# Allegro board FEE5_10_30.brd (continued)
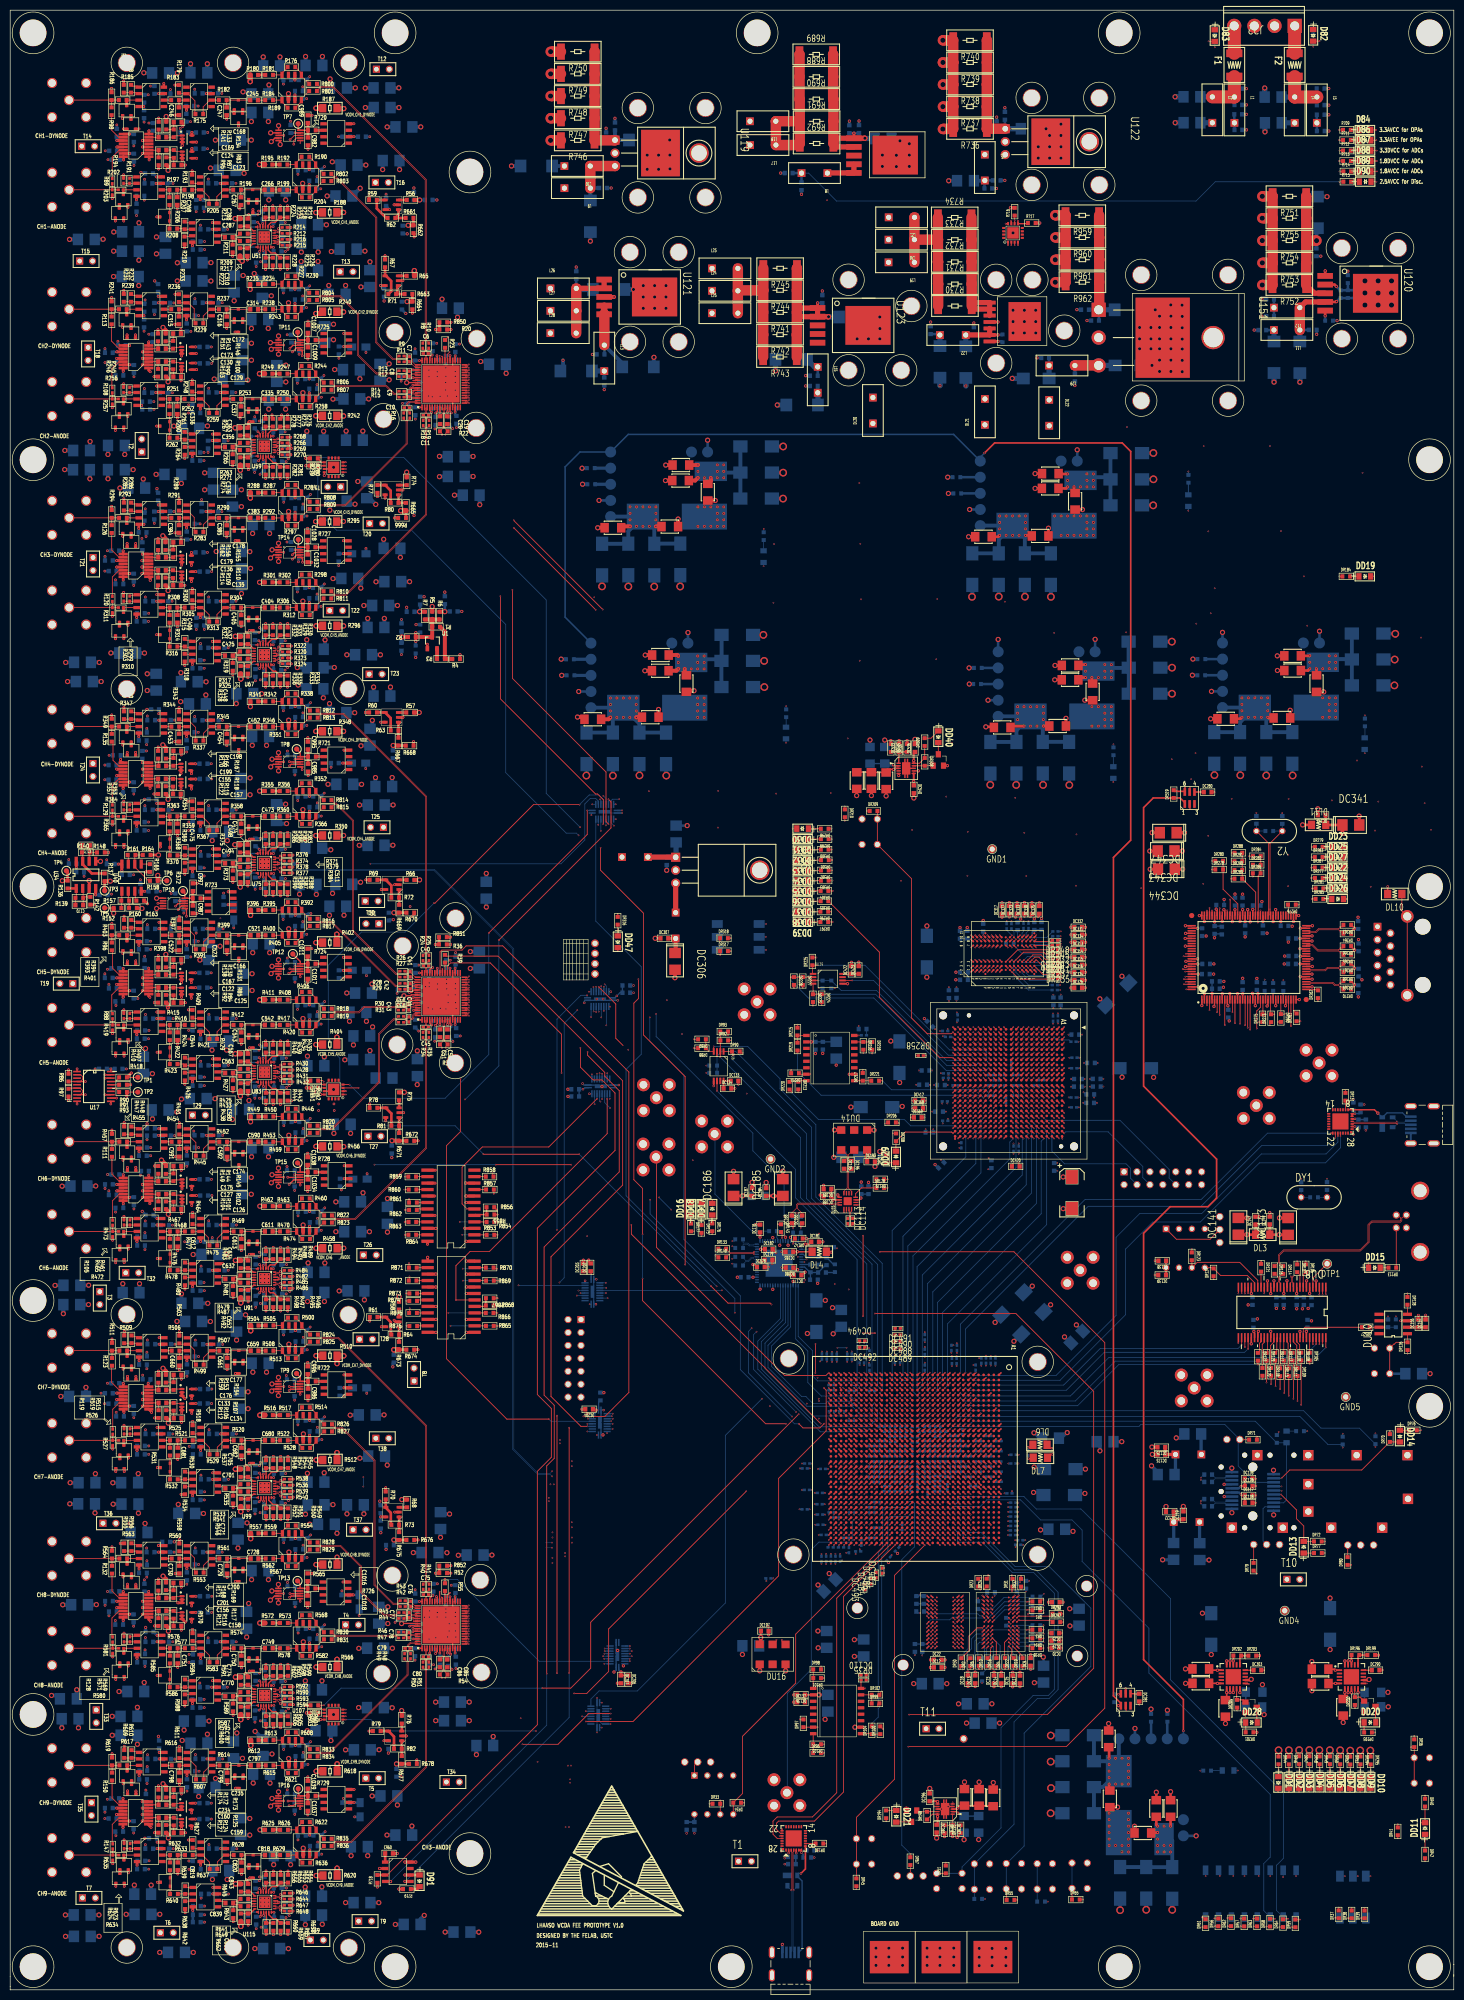
[diagram p0: board, top side]
## Routing (per net, layer and track width the routed paths; a pad name or vN(x,y) marks a point on that pad's centre or on a via; arc(x,y) is an arc through that point) (continued)
  BOTTOM w0.152: v1(116.61,192.23) 116.61,193.09 DU44.4
T_SCLK1: length 95.4
  TOP w0.152: v1(116.52,228.88) 116.52,233.69 115.4,234.81 114.99,234.81 96.29,253.5 v1(96.29,273.66) ; U152.1 65.96,297.99 v1(65.96,297.99)
  S2 w0.152: v1(65.96,297.99) 71.96,297.99 v1(96.29,273.66)
  BOTTOM w0.152: v1(116.52,228.88) 116.52,229.86 DU45.6
T_SCLK1_BUF: length 153.7
  TOP w0.152: DU4.AG9 v1(167.79,113.19)
  S2 w0.152: v1(115.89,233.76) 116.09,233.56 116.09,228.45 125.16,219.38 125.16,192.03 120.46,187.33 120.46,150.77 155.89,115.33 156.27,115.33 v1(156.49,115.11)
  S3 w0.152: v1(156.49,115.11) 158.86,112.74 167.34,112.74 v1(167.79,113.19)
  BOTTOM w0.152: v1(115.89,233.76) 116.03,233.62 DU45.14
T_SCLK2: length 103.8
  TOP w0.152: U153.1 65.88,175.81 65.89,175.81 v1(65.94,175.81)
  S3 w0.152: v1(70.76,221.12) 70.76,217.52 68.11,214.87 68.11,189.28 69.1,188.29 69.1,178.97 v1(65.94,175.81)
  BOTTOM w0.152: DU45.13 115.53,233.42 115.03,233.93 113.94,233.93 112.88,232.87 112.88,225.79 108.21,221.12 v1(70.76,221.12)
T_SCLK2_BUF: length 155
  TOP w0.152: DU4.AE10 v1(169.79,112.19)
  S1 w0.152: v1(153.59,112.57) 153.59,112.57 169.41,112.57 v1(169.79,112.19)
  S3 w0.152: v1(116.03,227.58) 116.03,226.21 117.61,224.63 117.61,213.13 117.37,212.89 117.37,195.58 122.3,190.65 122.3,160.78 v1(127.48,155.6) ; v1(145.65,129.92) 145.65,138.7 143.42,140.94 143.42,147.14 137.36,153.21 v1(129.84,153.21)
  BOTTOM w0.152: v1(129.84,153.21) 127.48,155.57 v1(127.48,155.6) ; v1(145.65,129.92) 145.03,129.29 145.03,121.13 v1(153.59,112.57) ; DU45.7 v1(116.03,227.58)
T_SCLK3: length 56.3
  TOP w0.152: U154.1 65.9,53.07 65.9,53.07 v1(65.93,53.07)
  S1 w0.152: v1(103.26,50.83) 108.33,50.83 112.7,55.2 v1(117.96,55.2)
  BOTTOM w0.152: v1(117.96,55.2) 117.96,55.19 DU46.13 ; v1(103.26,50.83) 73.09,50.83 70.86,53.07 v1(65.93,53.07)
T_SCLK3_BUF: length 223.3
  TOP w0.152: v1(169.86,132.8) 197.56,132.8 212.84,117.51 212.84,63.15 203.77,54.08 202.68,54.08 202.65,54.05 v1(176.59,54.05) ; DU4.AE3 v1(169.79,119.19)
  S3 w0.152: v1(169.79,119.19) 169.79,119.19 169.37,119.61 169.37,132.3 v1(169.86,132.8)
  S5 w0.152: v1(113.1,54.7) 114.09,53.72 120.29,53.72 120.62,54.05 v1(176.59,54.05)
  BOTTOM w0.152: DU46.7 114.07,54.7 v1(113.1,54.7)
T_SCLK_BUF: length 104.6
  TOP w0.152: DU4.AE1 v1(169.79,121.19)
  S4 w0.152: v1(116.1,197.07) 116.1,196.91 116.43,196.58 118.71,196.58 134.65,180.64 134.65,179.87 138.91,175.61 143.8,175.61 156.12,163.28 156.12,156.77 170.46,142.44 170.46,127.76 169.79,127.09 v1(169.79,121.19)
  BOTTOM w0.152: v1(116.1,197.07) 116.1,196.01 DU44.16
TDCIN_HIGH_N_CH1: length 292.3
  TOP w0.102: U51.19 52,343.08 52.36,343.08 v3(52.56,342.88) 52.76,343.08 52.92,343.08 R216.1 ; DU4.AP4 v1(160.79,118.19)
  S4 w0.102: v1(160.79,118.19) 160.65,118.33 160.65,118.33 159.51,119.47 159.51,120.55 152.33,127.72 151.25,127.72 106.95,172.03 106.95,320.92 84.83,343.04 52.74,343.04 v3(52.56,342.88)
  BOTTOM w0.102: R201.1 160.79,117.78 v1(160.79,118.19)
TDCIN_HIGH_N_CH2: length 263.1
  TOP w0.102: DU4.AP9 161.22,112.9 v1(160.94,113.19) ; R270.1 53.02,301.81 52.82,301.81 v3(52.69,301.68) 52.37,302 52,302 U59.19
  S1 w0.102: v1(160.94,113.19) 160.94,113.22 160.62,113.54 158.73,113.54 143.01,129.26 143.01,138.31 142.01,139.32 142.01,141.26 142.38,141.63 142.38,150.36 138.68,154.07 114.41,154.07 91.62,176.86 91.62,281.46 71.13,301.96 52.97,301.96 v3(52.69,301.68)
  BOTTOM w0.102: R255.1 160.94,113.59 v1(160.94,113.19)
TDCIN_HIGH_N_CH3: length 234.2
  TOP w0.102: R324.1 53.2,260.68 52.86,260.68 v3(52.76,260.59) 52.76,260.71 52.45,261.03 52.01,261.03 U67.19 ; DU4.AK10 v1(164.79,112.19)
  S4 w0.102: v3(52.76,260.59) 53.02,260.85 80.91,260.85 97.74,244.02 97.74,151.64 109.39,139.99 117.86,139.99 148.24,109.61 164.13,109.61 164.41,109.89 164.41,111.81 v1(164.79,112.19)
  BOTTOM w0.102: v1(164.79,112.19) 164.79,111.75 R307.1
TDCIN_HIGH_N_CH4: length 222.4
  TOP w0.102: DU4.AP28 v1(160.79,93.32) ; R378.1 53.53,219.6 53.19,219.6 v3(53.1,219.5) 53.08,219.5 52.53,220.06 52.03,220.06 U75.19
  S5 w0.102: v1(160.79,93.32) 161.08,93.32 161.18,93.42 161.18,93.63 161.08,93.73 152.16,93.73 144.68,101.21 106.85,101.21 106.46,100.82 v1(106.46,100.82)
  BOTTOM w0.102: R362.1 160.79,93.69 v1(160.79,93.32) ; v1(106.46,100.82) 106.07,101.21 103.63,101.21 98.72,106.12 98.72,204.34 83.28,219.78 53.38,219.78 v3(53.1,219.5)
TDCIN_HIGH_N_CH5: length 173.5
  TOP w0.102: R432.1 53.83,178.48 53.64,178.67 53.32,178.67 v3(53.13,178.49) 53.13,178.55 52.6,179.08 52.05,179.08 U83.19 ; DU4.AK28 v1(164.79,93.32)
  S1 w0.102: v1(110.33,102.81) 109.93,103.22 103.61,103.22 86.91,119.92 86.91,156.42 64.55,178.77 53.42,178.77 v3(53.13,178.49)
  S4 w0.102: v1(164.79,93.32) 165.1,93.32 165.2,93.42 165.2,93.59 165.1,93.7 139.2,93.7 129.68,103.22 110.73,103.22 v1(110.33,102.81)
  BOTTOM w0.102: R414.1 164.79,93.61 v1(164.79,93.32)
TDCIN_HIGH_N_CH6: length 151.4
  TOP w0.102: R486.1 53.52,138.09 53.25,138.09 v3(53.12,137.97) 52.55,138.54 52.08,138.54 U91.19 ; DU4.AM34 v1(162.79,87.32)
  S1 w0.102: v1(106.52,83.81) 106.12,84.21 102.71,84.21 81.85,105.08 81.85,127.02 70.62,138.25 53.4,138.25 v3(53.12,137.97)
  S4 w0.102: v1(162.79,87.32) 163.08,87.32 163.23,87.47 163.23,87.62 163.11,87.74 151.61,87.74 148.08,84.21 106.91,84.21 v1(106.52,83.81)
  BOTTOM w0.102: v1(162.79,87.32) 162.79,86.97 R466.1
TDCIN_HIGH_N_CH7: length 193.3
  TOP w0.102: DU4.AF27 v1(168.79,94.32) ; U99.19 52.1,97.52 52.59,97.52 v3(53.15,96.96) 53.28,97.09 53.53,97.09 R540.1
  S2 w0.102: v1(110,40.67) 110.23,40.91 110.74,40.91 111.52,40.91 126.19,55.58 126.19,73.9 147.03,94.74 169.07,94.74 169.21,94.59 169.21,94.42 169.11,94.32 v1(168.79,94.32)
  S4 w0.102: v3(53.15,96.96) 53.43,97.24 80.53,97.24 95.74,82.03 95.74,54.04 108.87,40.91 109.76,40.91 v1(110,40.67)
  BOTTOM w0.102: v1(168.79,94.32) 168.79,94.73 R524.1
TDCIN_HIGH_N_CH8: length 168.1
  TOP w0.102: U107.19 52.13,56.73 52.56,56.73 v3(53.12,56.18) 53.23,56.29 53.6,56.29 R594.1 ; DU4.AF33 v1(168.79,88.32)
  S2 w0.102: v1(168.79,88.32) 169.19,88.72 169.19,89.52 168.98,89.73 154.2,89.73 135.3,70.83 135.3,53.04 111.23,28.97 104.8,28.97 77.31,56.46 53.4,56.46 v3(53.12,56.18)
  BOTTOM w0.102: R579.1 168.81,88.34 v1(168.79,88.32)
TDCIN_HIGH_N_CH9: length 154.9
  TOP w0.102: DU4.AH34 v1(166.79,87.32) ; U115.19 52.09,16.06 52.83,16.06 53.12,15.77 v3(53.12,15.65) 53.17,15.7 53.61,15.7 R648.1
  S2 w0.102: v1(166.79,87.32) 166.04,86.57 158.39,86.57 138.42,66.6 138.42,52.56 101.8,15.93 53.4,15.93 v3(53.12,15.65)
  BOTTOM w0.102: R631.1 167.17,87.32 v1(166.79,87.32)
TDCIN_HIGH_P_CH1: length 293.4
  TOP w0.102: U51.20 52.01,343.31 52.38,343.31 v3(52.59,343.51) 52.78,343.32 52.93,343.32 53.35,343.74 R215.2 ; DU4.AN4 v1(161.79,118.19)
  S4 w0.102: v1(161.79,118.19) 161.31,118.19 160.96,118.54 160.74,118.54 159.72,119.56 159.72,120.64 152.42,127.94 151.34,127.94 107.17,172.11 107.17,321.01 84.92,343.26 52.82,343.26 v3(52.59,343.51)
  BOTTOM w0.102: R201.2 161.79,117.79 v1(161.79,118.19)
TDCIN_HIGH_P_CH2: length 264.1
  TOP w0.102: 162.17,112.75 DU4.AN9 v1(161.8,113.18) ; U59.20 52,302.26 52.49,302.26 52.68,302.46 v3(52.69,302.46) 52.86,302.29 53.15,302.29 R269.2
  S1 w0.102: v3(52.69,302.46) 52.97,302.18 71.21,302.18 91.84,281.55 91.84,176.95 114.5,154.28 138.77,154.28 142.6,150.45 142.6,141.54 142.22,141.17 142.22,139.41 143.23,138.4 143.23,129.35 158.82,113.76 160.9,113.76 161.46,113.18 v1(161.8,113.18)
  BOTTOM w0.102: v1(161.8,113.18) 161.8,113.46 R255.2
TDCIN_HIGH_P_CH3: length 235.4
  TOP w0.102: R323.2 53.17,261.19 52.94,261.19 v3(52.76,261.37) 52.64,261.24 52.06,261.24 U67.20 ; DU4.AJ10 v1(165.79,112.19)
  S4 w0.102: v1(165.79,112.19) 165.29,112.19 164.94,112.54 164.64,112.54 164.43,112.33 164.43,112.14 164.2,111.9 164.2,109.98 164.05,109.83 148.33,109.83 117.95,140.21 109.48,140.21 97.96,151.73 97.96,244.1 81,261.06 53.07,261.06 v3(52.76,261.37)
  BOTTOM w0.102: R307.2 165.79,111.76 v1(165.79,112.19)
TDCIN_HIGH_P_CH4: length 222.3
  TOP w0.102: DU4.AN28 v1(161.79,93.32) ; U75.20 52.06,220.27 53.09,220.27 v3(53.1,220.28) 53.19,220.19 53.51,220.19 53.78,220.47 R377.2
  S5 w0.102: v1(161.79,93.32) 161.17,93.94 152.25,93.94 144.77,101.43 106.86,101.43 v1(106.46,101.82)
  BOTTOM w0.102: v1(161.79,93.32) 161.79,93.68 R362.2 ; v3(53.1,220.28) 53.38,220 83.37,220 98.93,204.43 98.93,106.21 103.72,101.43 106.07,101.43 v1(106.46,101.82)
TDCIN_HIGH_P_CH5: length 173.2
  TOP w0.102: U83.20 52.08,179.3 53.11,179.3 v3(53.13,179.32) 53.13,179.3 53.28,179.15 53.53,179.15 R431.2 ; DU4.AJ28 v1(165.79,93.32)
  S1 w0.102: v1(110.33,103.81) 110.33,103.81 109.95,103.43 103.7,103.43 87.12,120.01 87.12,156.51 64.64,178.99 53.46,178.99 v3(53.13,179.32)
  S4 w0.102: v1(165.79,93.32) 165.78,93.32 165.19,93.91 139.29,93.91 129.77,103.43 110.71,103.43 v1(110.33,103.81)
  BOTTOM w0.102: v1(165.79,93.32) 165.79,93.59 R414.2
TDCIN_HIGH_P_CH6: length 151.3
  TOP w0.102: U91.20 52.09,138.76 53.11,138.76 v3(53.12,138.74) 53.23,138.64 53.55,138.64 R485.2 ; DU4.AL34 v1(163.79,87.32)
  S1 w0.102: v1(106.52,84.82) 106.13,84.43 102.8,84.43 82.06,105.17 82.06,127.11 70.71,138.46 53.4,138.46 v3(53.12,138.74)
  S4 w0.102: v1(163.79,87.32) 163.79,87.36 163.2,87.95 151.52,87.95 147.99,84.42 106.91,84.42 v1(106.52,84.82)
  BOTTOM w0.102: R466.2 163.79,86.96 v1(163.79,87.32)
TDCIN_HIGH_P_CH7: length 193.1
  TOP w0.102: DU4.AE27 v1(169.79,94.32) ; R539.2 53.58,97.63 53.26,97.63 v3(53.15,97.74) 52.1,97.74 U99.20
  S2 w0.102: v1(110,41.34) 110.21,41.13 110.74,41.13 111.43,41.13 125.98,55.67 125.98,73.99 146.94,94.95 169.16,94.95 169.29,94.82 v1(169.79,94.32)
  S4 w0.102: v1(110,41.34) 109.78,41.12 108.96,41.12 95.95,54.13 95.95,82.12 80.62,97.46 53.43,97.46 v3(53.15,97.74)
  BOTTOM w0.102: R524.2 169.79,94.71 v1(169.79,94.32)
TDCIN_HIGH_P_CH8: length 168.2
  TOP w0.102: DU4.AE33 v1(169.79,88.32) ; R593.2 53.57,56.82 53.25,56.82 v3(53.12,56.95) 52.85,56.95 52.68,56.95 52.06,56.95 U107.20
  S2 w0.102: v1(169.79,88.32) 169.41,88.71 169.41,89.61 169.07,89.94 154.11,89.94 154.05,89.88 135.09,70.92 135.09,53.13 111.14,29.19 104.89,29.19 77.4,56.67 53.4,56.67 v3(53.12,56.95)
  BOTTOM w0.102: R579.2 169.79,88.72 v1(169.79,88.32)
TDCIN_HIGH_P_CH9: length 155.5
  TOP w0.102: U115.20 52.14,16.28 52.97,16.28 v3(53.12,16.43) 53.17,16.38 53.61,16.38 R647.2 ; DU4.AH33 v1(166.79,88.32)
  S2 w0.102: v3(53.12,16.43) 53.4,16.15 101.71,16.15 138.2,52.65 138.2,66.69 158.31,86.79 165.95,86.79 166.43,87.27 166.43,87.97 v1(166.79,88.32)
  BOTTOM w0.102: R631.2 167.19,88.32 v1(166.79,88.32)
TDCIN_LOW_N_CH1: length 298.7
  TOP w0.102: R214.1 53.04,345.69 52.89,345.69 v3(52.73,345.85) 52.73,345.83 52.25,345.35 51.99,345.35 U51.24 ; DU4.AP3 v1(160.79,119.19)
  S4 w0.102: v1(160.79,119.19) 161.15,118.83 161.94,118.83 162.39,119.28 162.39,121.41 161.97,121.83 160.2,121.83 159.14,122.89 159.03,122.89 158.82,123.1 158.82,123.21 142.62,139.41 110.64,171.39 110.64,323.06 88.07,345.62 86.19,345.62 52.96,345.62 v3(52.73,345.85)
  BOTTOM w0.102: R200.1 160.79,118.79 v1(160.79,119.19)
TDCIN_LOW_N_CH2: length 266.1
  TOP w0.102: DU4.AK5 v1(164.79,117.19) ; U59.24 51.96,304.32 52.35,304.32 v3(52.57,304.55) 52.72,304.4 53.04,304.4 53.42,304.78 R268.1
  S1 w0.102: v1(164.79,117.19) 164.79,116.99 164.6,116.8 157.31,116.8 144.07,130.05 144.07,150.38 138.1,156.34 118.7,156.34 95.13,179.92 95.13,283.91 74.77,304.27 52.85,304.27 v3(52.57,304.55)
  BOTTOM w0.102: v1(164.79,117.19) 164.79,117.58 R254.1
TDCIN_LOW_N_CH3: length 233.9
  TOP w0.102: U67.24 52.04,263.3 52.46,263.3 52.73,263.57 v3(52.73,263.69) 52.87,263.55 53.17,263.55 R322.1 ; DU4.AM9 v1(162.79,113.19)
  S4 w0.102: v3(52.73,263.69) 53,263.39 82.19,263.39 100.34,245.24 100.34,152.34 111.18,141.5 119.95,141.5 150.68,110.77 163.03,110.77 163.22,110.96 163.22,112.76 v1(162.79,113.19)
  BOTTOM w0.102: R309.1 162.79,113.45 v1(162.79,113.19)
TDCIN_LOW_N_CH4: length 234.7
  TOP w0.102: U75.24 52.04,222.32 52.73,222.32 v3(53.05,222.64) 53.19,222.5 53.51,222.5 R376.1 ; v1(160.79,87.32) DU4.AP34
  S2 w0.102: v1(109.01,85.77) 108.8,85.57 106.93,85.57 100.98,91.52 100.98,202.4 81.02,222.36 53.33,222.36 v3(53.05,222.64)
  S5 w0.102: v1(109.01,85.77) 109.22,85.56 147.63,85.56 149.87,87.79 156.88,87.79 157.89,86.78 160.43,86.78 160.79,87.14 v1(160.79,87.32)
  BOTTOM w0.102: v1(160.79,87.32) 160.79,87.02 R361.1
TDCIN_LOW_N_CH5: length 204.8
  TOP w0.102: R430.1 53.78,181.8 53.46,181.48 53.25,181.48 v3(53.14,181.6) 53.14,181.57 52.91,181.34 52.68,181.34 52.53,181.34 52.07,181.34 U83.24 ; DU4.AL33 v1(163.79,88.32)
  S2 w0.102: v1(110.35,87.82) 110.35,87.82 110.76,88.23 111.06,88.23 111.68,87.61 111.68,86.18 108.96,83.46 105.68,83.46 97.3,91.84 97.3,165.33 81.31,181.32 53.52,181.32 53.42,181.32 v3(53.14,181.6)
  S4 w0.102: v1(110.35,87.82) 110.75,88.21 149.61,88.21 150.15,88.75 164.08,88.75 164.2,88.63 164.2,88.42 164.1,88.32 v1(163.79,88.32)
  BOTTOM w0.102: v1(163.79,88.32) 163.79,88.65 R413.1
TDCIN_LOW_N_CH6: length 146.2
  TOP w0.102: DU4.AN29 v1(161.79,92.32) ; U91.24 52.09,140.8 52.56,140.8 52.64,140.8 52.83,140.8 v3(53.08,141.06) 53.2,140.94 53.52,140.94 R484.1
  S1 w0.102: v1(106.13,99.25) 106.32,99.06 106.32,98.86 106.15,98.69 98.3,98.69 84.65,112.34 84.65,132.33 76.2,140.78 53.37,140.78 v3(53.08,141.06)
  S4 w0.102: v1(161.79,92.32) 162.1,92.32 162.2,92.42 162.2,92.61 162.08,92.73 136.43,92.73 129.95,99.21 107.84,99.21 107.27,98.65 106.73,98.65 v1(106.13,99.25)
  BOTTOM w0.102: R471.1 161.79,92.71 v1(161.79,92.32)
TDCIN_LOW_N_CH7: length 199.2
  TOP w0.102: R538.1 53.64,100.06 53.64,100.05 53.54,99.95 53.26,99.95 v3(53.16,100.05) 52.89,99.77 52.1,99.77 U99.24 ; DU4.AF28 v1(168.79,93.32)
  S2 w0.102: v3(53.16,100.05) 53.44,99.77 55.29,99.77 55.3,99.78 82.3,99.78 101.66,80.42 101.66,44.66 108.15,38.17 111.97,38.17 128.94,55.14 128.94,72.78 148.35,92.19 160.42,92.19 160.64,91.97 165.94,91.97 165.95,91.98 167.93,91.98 168.19,92.23 168.19,92.72 168.61,93.15 v1(168.79,93.32)
  BOTTOM w0.102: v1(168.79,93.32) 168.79,93.7 R523.1
TDCIN_LOW_N_CH8: length 160.3
  TOP w0.102: DU4.AE26 v1(169.79,95.32) ; U107.24 52.09,58.95 52.8,58.95 53.09,59.25 v3(53.09,59.25) 53.21,59.14 53.53,59.14 R592.1
  S1 w0.102: v3(53.09,59.25) 53.35,58.99 92.62,58.99 92.75,58.87 107.72,43.89 109.44,43.89 v1(109.57,44.02)
  S2 w0.102: v1(169.79,95.32) 169.96,95.32 170.07,95.44 170.07,95.64 169.97,95.74 143.81,95.74 123.4,75.33 123.4,56.11 110.93,43.64 109.95,43.64 v1(109.57,44.02)
  BOTTOM w0.102: R575.1 169.79,95.72 v1(169.79,95.32)
TDCIN_LOW_N_CH9: length 162.7
  TOP w0.102: DU4.AE31 v1(169.79,90.32) ; R646.1 53.77,18.99 53.53,18.75 v3(53.13,18.75) 53.13,18.64 52.84,18.34 52.11,18.34 U115.24
  S1 w0.102: v3(53.13,18.75) 53.41,18.47 55.27,18.47 55.3,18.5 97.86,18.5 109.32,29.96 109.32,31.73 v1(109.1,31.96)
  S2 w0.102: v1(169.79,90.32) 169.79,90.51 169.58,90.72 150.91,90.72 132.27,72.08 132.27,54.74 110.35,32.82 110.35,32.04 109.91,31.6 109.46,31.6 v1(109.1,31.96)
  BOTTOM w0.102: R630.1 169.79,90.69 v1(169.79,90.32)
TDCIN_LOW_P_CH1: length 296.7
  TOP w0.102: U51.23 52.02,345.13 52.69,345.13 v3(52.73,345.18) 52.87,345.32 53.02,345.32 53.43,344.91 R212.2 ; DU4.AN3 v1(161.79,119.19)
  S4 w0.102: 161.69,119.19 v1(161.79,119.19) 161.99,119.19 162.18,119.37 162.18,121.32 161.88,121.62 160.11,121.62 159.05,122.68 158.94,122.68 158.61,123.01 158.61,123.12 142.53,139.19 142.53,139.19 142.1,139.62 110.42,171.3 110.42,322.97 87.98,345.4 52.96,345.4 v3(52.73,345.18)
  BOTTOM w0.102: R200.2 161.79,118.8 v1(161.79,119.19)
TDCIN_LOW_P_CH2: length 267.1
  TOP w0.102: R266.2 53.12,304.04 52.74,304.04 52.57,303.87 v3(52.57,303.77) 52.33,304.02 51.98,304.02 U59.23 ; DU4.AJ5 v1(165.79,117.19)
  S1 w0.102: v1(165.79,117.19) 165.33,117.19 164.73,116.59 157.22,116.59 143.85,129.96 143.85,150.29 138.01,156.13 118.61,156.13 94.91,179.83 94.91,283.82 74.68,304.05 52.85,304.05 v3(52.57,303.77)
  S4 w0.102: v1(165.79,117.19) 165.72,117.19
  BOTTOM w0.102: v1(165.79,117.19) 165.79,117.6 R254.2
TDCIN_LOW_P_CH3: length 234.1
  TOP w0.102: U67.23 52.04,263.08 52.47,263.08 v3(52.69,262.87) 52.85,263.03 53.17,263.03 R320.2 ; DU4.AL9 v1(163.79,113.19)
  S4 w0.102: v3(52.69,262.87) 53.03,263.18 82.1,263.18 100.13,245.15 100.13,152.25 111.09,141.29 119.86,141.29 150.59,110.56 163.12,110.56 163.43,110.87 163.43,112.83 v1(163.79,113.19)
  BOTTOM w0.102: R309.2 163.79,113.43 v1(163.79,113.19)
TDCIN_LOW_P_CH4: length 235.7
  TOP w0.102: U75.23 52.05,222.1 52.81,222.1 v3(53.05,221.86) 53.2,222.01 53.47,222.01 R374.2 ; DU4.AN34 v1(161.79,87.32)
  S2 w0.102: v1(109.01,85.11) 108.76,85.35 106.84,85.35 100.76,91.43 100.76,202.31 80.93,222.14 53.33,222.14 v3(53.05,221.86)
  S5 w0.102: v1(161.79,87.32) 161.29,87.32 160.94,86.97 160.93,86.97 160.52,86.56 157.8,86.56 156.79,87.58 149.95,87.58 147.72,85.34 109.24,85.34 v1(109.01,85.11)
  BOTTOM w0.102: R361.2 161.79,87.01 v1(161.79,87.32)
TDCIN_LOW_P_CH5: length 205.7
  TOP w0.102: 53.16,180.84 53.26,180.94 53.49,180.94 53.81,180.62 R428.2 ; 53.16,180.84 v3(53.14,180.82) ; 53.16,180.84 53.14,180.84 52.86,181.13 52.68,181.13 52.54,181.12 52.06,181.12 U83.23 ; DU4.AK33 v1(164.79,88.32)
  S2 w0.102: v1(110.34,88.81) 110.71,88.44 111.15,88.44 111.89,87.7 111.89,86.09 109.05,83.24 105.59,83.24 97.08,91.75 97.08,165.24 81.22,181.1 53.52,181.1 53.42,181.1 v3(53.14,180.82)
  S4 w0.102: v1(164.79,88.32) 164.79,88.34 164.17,88.96 158.01,88.96 150.06,88.96 149.52,88.43 110.74,88.43 v1(110.34,88.81)
  BOTTOM w0.102: R413.2 164.79,88.66 v1(164.79,88.32)
TDCIN_LOW_P_CH6: length 146.2
  TOP w0.102: U91.23 52.09,140.58 52.56,140.58 52.64,140.58 52.82,140.58 53.08,140.32 v3(53.08,140.28) 53.22,140.42 53.52,140.42 R482.2 ; DU4.AM29 v1(162.79,92.32)
  S1 w0.102: v3(53.08,140.28) 53.37,140.56 76.12,140.56 84.44,132.24 84.44,112.25 98.21,98.47 106.24,98.47 106.54,98.77 106.54,98.99 v1(106.8,99.25)
  S4 w0.102: v1(106.8,99.25) 106.8,99 106.93,98.87 107.18,98.87 107.75,99.43 130.04,99.43 136.52,92.95 162.17,92.95 v1(162.79,92.32)
  BOTTOM w0.102: v1(162.79,92.32) 162.79,92.69 R471.2
TDCIN_LOW_P_CH7: length 200.3
  TOP w0.102: DU4.AE28 v1(169.79,93.32) ; R536.2 53.56,99.41 53.31,99.41 v3(53.16,99.27) 52.88,99.56 52.1,99.56 U99.23
  S2 w0.102: v1(169.79,93.32) 169.34,92.87 168.64,92.87 168.41,92.63 168.41,92.15 168.02,91.76 166.04,91.76 166.03,91.75 160.55,91.75 160.33,91.97 148.44,91.97 129.16,72.69 129.16,55.05 112.06,37.95 108.07,37.95 101.45,44.57 101.45,80.33 82.21,99.56 55.39,99.56 55.38,99.55 53.44,99.55 v3(53.16,99.27)
  BOTTOM w0.102: v1(169.79,93.32) 169.79,93.68 R523.2
TDCIN_LOW_P_CH8: length 160.8
  TOP w0.102: U107.23 52.1,58.74 52.83,58.74 v3(53.09,58.47) 53.28,58.66 53.54,58.66 R590.2 ; DU4.AD26 v1(170.79,95.32)
  S1 w0.102: v1(110.16,44.03) 109.8,43.67 107.64,43.67 92.53,58.78 53.4,58.78 v3(53.09,58.47)
  S2 w0.102: v1(170.79,95.32) 170.69,95.32 170.06,95.95 143.72,95.95 123.18,75.42 123.18,56.2 110.85,43.86 110.33,43.86 v1(110.16,44.03)
  BOTTOM w0.102: v1(170.79,95.32) 170.79,95.7 R575.2
TDCIN_LOW_P_CH9: length 163.1
  TOP w0.102: R644.2 53.66,18.03 53.19,18.03 v3(53.13,17.97) 52.98,18.13 52.12,18.13 U115.23 ; DU4.AD31 v1(170.79,90.32)
  S1 w0.102: v1(109.76,31.96) 109.54,31.73 109.54,29.87 97.95,18.28 55.39,18.28 55.36,18.25 53.41,18.25 v3(53.13,17.97)
  S2 w0.102: v1(170.79,90.32) 170.71,90.32 170.26,90.77 170.1,90.94 150.82,90.94 132.05,72.17 132.05,54.83 110.13,32.91 110.13,32.13 109.93,31.93 109.79,31.93 v1(109.76,31.96)
  BOTTOM w0.102: R630.2 170.79,90.67 v1(170.79,90.32)
TP1_A7_FPGA: length 49.4
  TOP w0.152: DU4.L5 v1(184.65,117.19)
  S3 w0.152: DJ15.1 228.24,118.18 226.72,116.66 185.14,116.66 184.65,117.14 v1(184.65,117.19)
TP1_S6_FPGA: length 57.1
  TOP w0.152: DU37.G8 v1(201.06,182.04)
  S3 w0.152: v1(201.06,182.04) 201.06,182.04 201.55,181.56 256.68,181.56 DJ19.1
TP2_A7_FPGA: length 33.5
  TOP w0.152: DU4.K1 v1(185.65,121.19)
  S2 w0.152: v1(185.65,121.19) 185.65,121.2 205.76,141.31 DJ16.1
TP2_S6_FPGA: length 44.6
  TOP w0.152: DU37.G15 v1(201.06,174.18)
  S3 w0.152: DJ20.1 244.72,173.72 201.51,173.72 201.06,174.17 v1(201.06,174.18)
TP3_A7_FPGA: length 63.4
  TOP w0.152: DU4.AJ29 v1(165.79,92.32)
  BOTTOM w0.152: v1(165.79,92.32) 165.41,91.94 165.41,88.2 165.12,87.91 158.86,87.91 157.38,86.42 157.38,62.94 152.66,58.22 152.66,38.78 DJ17.1
TP3_S6_FPGA: length 44.4
  TOP w0.152: DU37.AB9 v1(185.2,181.04)
  S4 w0.152: DJ21.1 151.31,193.99 154.03,191.27 166.05,191.27 175.83,181.49 184.75,181.49 v1(185.2,181.04)
TP4_A7_FPGA: length 62.9
  TOP w0.152: DJ18.1 126.98,163.42 126.98,145.77 152.14,120.61 160.22,120.61 v1(160.79,121.19) DU4.AP1
TP4_S6_FPGA: length 59.1
  TOP w0.152: DU37.AB14 v1(185.2,175.18)
  S2 w0.152: 126.94,175.18 v1(185.2,175.18) ; 126.94,175.18 DJ22.1 ; 126.94,175.18 126.82,175.18 126.78,175.13
TRACK_SEQ_2: length 211.8
  TOP w0.305: v2(230.46,50.86) 230.46,57.02 222.64,64.83 222.64,148.56 227.86,153.77 235.28,153.77 236.99,155.49 236.99,163.11 222.64,177.45 222.64,232.14 224.55,234.04 DR319.1 229.82,234.04 230.74,233.12 DU31.1
  BOTTOM w0.305: DU27.10 v2(230.46,50.86)
TRACK_SEQ_3: length 405.1
  TOP w0.305: v6(217.68,55.79) DU32.1 218.18,56.27 216.72,57.72 216.72,222.36 220.11,225.75 220.11,302.09 218.45,303.75 193.37,303.75 v2(191.4,301.78)
  BOTTOM w0.305: DU28.10 109.01,269.53 109.01,299.04 111.93,301.97 DU26.10 121.4,305.42 185.33,305.42 DU29.10 190.56,300.94 v2(191.4,301.78) ; v6(217.68,55.79) 216.99,56.48 DR320.1
TX_+3.3VP_0: length 8.3
  TOP w0.305: v2(241.76,98.89) 241.78,98.91 DC128.1 242.53,100.35 DC126.1
  BOTTOM w0.406: DU5.16 241.33,98.46 v2(241.76,98.89)
  BOTTOM w0.635: DC127.1 233.95,105.17 DL2.1
USB_5V: length 7.9
  TOP w0.152: DJ8.1 272.28,141.82 DR113.1 ; 272.31,141.78 DR113.1 ; DR113.1 272.24,141.78
USB_CLK_TEST: length 5.8
  TOP w0.152: DU8.5 255.9,139.78 DTP1.1
USB_D_N_A7_USB_UART: length 21.6
  TOP w0.102: v1(153.88,19.54) 153.88,19.64 153.78,19.74 153.78,27.05 153.92,27.2 DU11.4
  BOTTOM w0.102: DX1.3 154.61,20.28 v1(153.88,19.54) 153.88,19.46 153.78,19.37 153.78,7.62 154.06,7.35 DJ10.2
USB_D_N_A7_USB_UART2: length 13.1
  TOP w0.102: DU12.4 263.85,170.52 263.99,170.38 272.25,170.38 272.36,170.48 v1(272.49,170.48)
  BOTTOM w0.102: DX2.3 271.66,171.32 v1(272.49,170.48) 272.57,170.48 272.68,170.37 273.88,170.37 274.17,170.67 DJ11.2
USB_D_P_A7_USB_UART: length 21.6
  TOP w0.102: DU11.3 153.42,27.19 153.56,27.04 153.56,19.74 153.44,19.62 v1(153.44,19.54)
  BOTTOM w0.102: DJ10.3 153.57,7.63 153.57,19.35 153.44,19.47 v1(153.44,19.54) 152.68,20.31 DX1.4
USB_D_P_A7_USB_UART2: length 13
  TOP w0.102: v1(272.49,170.05) 272.36,170.05 272.25,170.16 263.99,170.16 263.85,170.02 DU12.3
  BOTTOM w0.102: DX2.4 271.82,169.39 v1(272.49,170.05) 272.56,170.05 272.67,170.16 273.87,170.16 274.16,169.87 DJ11.3
USB_SCL: length 17.7
  TOP w0.152: DR123.2 232.14,143.25 DU9.6 233.19,142.85 241.53,142.85 245.08,139.3 DU8.22
USB_SDA: length 11.9
  TOP w0.152: DU9.5 236.23,141.8 DR124.2 237.75,140.28 243.01,140.28 244.45,138.85 DU8.23
VAC3V3: length 11.3
  TOP w0.152: DR316.1 v1(119.34,211.29)
  TOP w0.254: DL4.2 160.4,144.84 v6(161.27,144.84)
  TOP w0.508: DL9.2 129.29,206.45 DC307.2 ; DC187.1 143.84,155.91 v5(143.83,155.91) 143.81,155.88 DC186.1
  TOP w0.762: DC306.1 130.73,203.72 DL9.2
  BOTTOM w0.508: DL5.2 143.85,155.89 v5(143.83,155.91)
VACC3V3: length 12.5
  TOP w0.254: DU8.10 252.73,136.77 v6(252.71,136.75) ; DU8.14 v6(250.19,136.76)
  TOP w0.508: DC143.1 249.31,148.25 v5(249.29,148.28) DL3.2 247.43,148.28 DC144.1
  BOTTOM w0.254: DC149.1 248.74,136 DC148.1 250.19,136 v6(250.19,136.76) ; v6(252.71,136.75) 252.73,136.74 252.73,136.01 DC146.1 254.12,136 DC147.1
VCOM_ANODE_CH1: length 9.4
  TOP w0.762: U49.2 57.46,354.71 v5(57.45,354.72)
  TOP w1.016: v5(60.03,348.99) 61.33,348.99 R188.2
  S5 w1.016: v5(57.45,354.72) 57.45,351.57 v5(60.03,348.99)
VCOM_ANODE_CH2: length 8.2
  TOP w0.762: v5(57.51,313.62) 57.47,313.58 U56.2
  TOP w1.016: R242.2 v5(60.02,309.06)
  S5 w1.016: v5(60.02,309.06) 57.51,311.58 v5(57.51,313.62)
VCOM_ANODE_CH3: length 8.5
  TOP w0.762: U63.2 57.49,272.67 v5(57.5,272.68)
  TOP w1.016: R296.2 v5(60.09,267.83)
  S5 w1.016: v5(60.09,267.83) 59.98,267.83 57.5,270.31 v5(57.5,272.68)
VCOM_ANODE_CH4: length 8.8
  TOP w0.762: U71.2 v5(57.5,231.75)
  TOP w1.016: v5(60.04,226.65) 60.24,226.65 60.24,226.66 R350.2
  S5 w1.016: v5(57.5,231.75) 57.5,229.19 v5(60.04,226.65)
VCOM_ANODE_CH5: length 8.8
  TOP w0.762: v5(57.51,190.73) 57.52,190.72 U81.2
  TOP w1.016: R404.2 60.26,185.61 60.25,185.61 v5(60.05,185.61)
  S5 w1.016: v5(60.05,185.61) 59.96,185.61 57.51,188.05 v5(57.51,190.73)
VCOM_ANODE_CH6: length 8.2
  TOP w0.762: v5(57.55,150.18) 57.54,150.18 U89.2
  TOP w1.016: R458.2 v5(60.08,145.62)
  S5 w1.016: v5(60.08,145.62) 57.55,148.15 v5(57.55,150.18)
VCOM_ANODE_CH7: length 8.8
  TOP w0.762: v5(57.59,109.15) 57.59,109.15 57.56,109.11 U97.2
  TOP w1.016: R512.2 60.27,104.03 60.25,104.05 v5(60.08,104.05)
  S5 w1.016: v5(60.08,104.05) 60.01,104.05 57.57,106.49 57.57,109.01 57.59,109.04 v5(57.59,109.15)
VCOM_ANODE_CH8: length 8.6
  TOP w0.762: v5(57.58,68.33) 57.58,67.09 U105.2
  TOP w1.016: v5(60.09,63.39) 60.45,63.39 60.45,63.38 R566.2
  S5 w1.016: v5(60.09,63.39) 57.58,65.89 v5(57.58,68.33)
